# KiCad board VGA.kicad_pcb (continued)
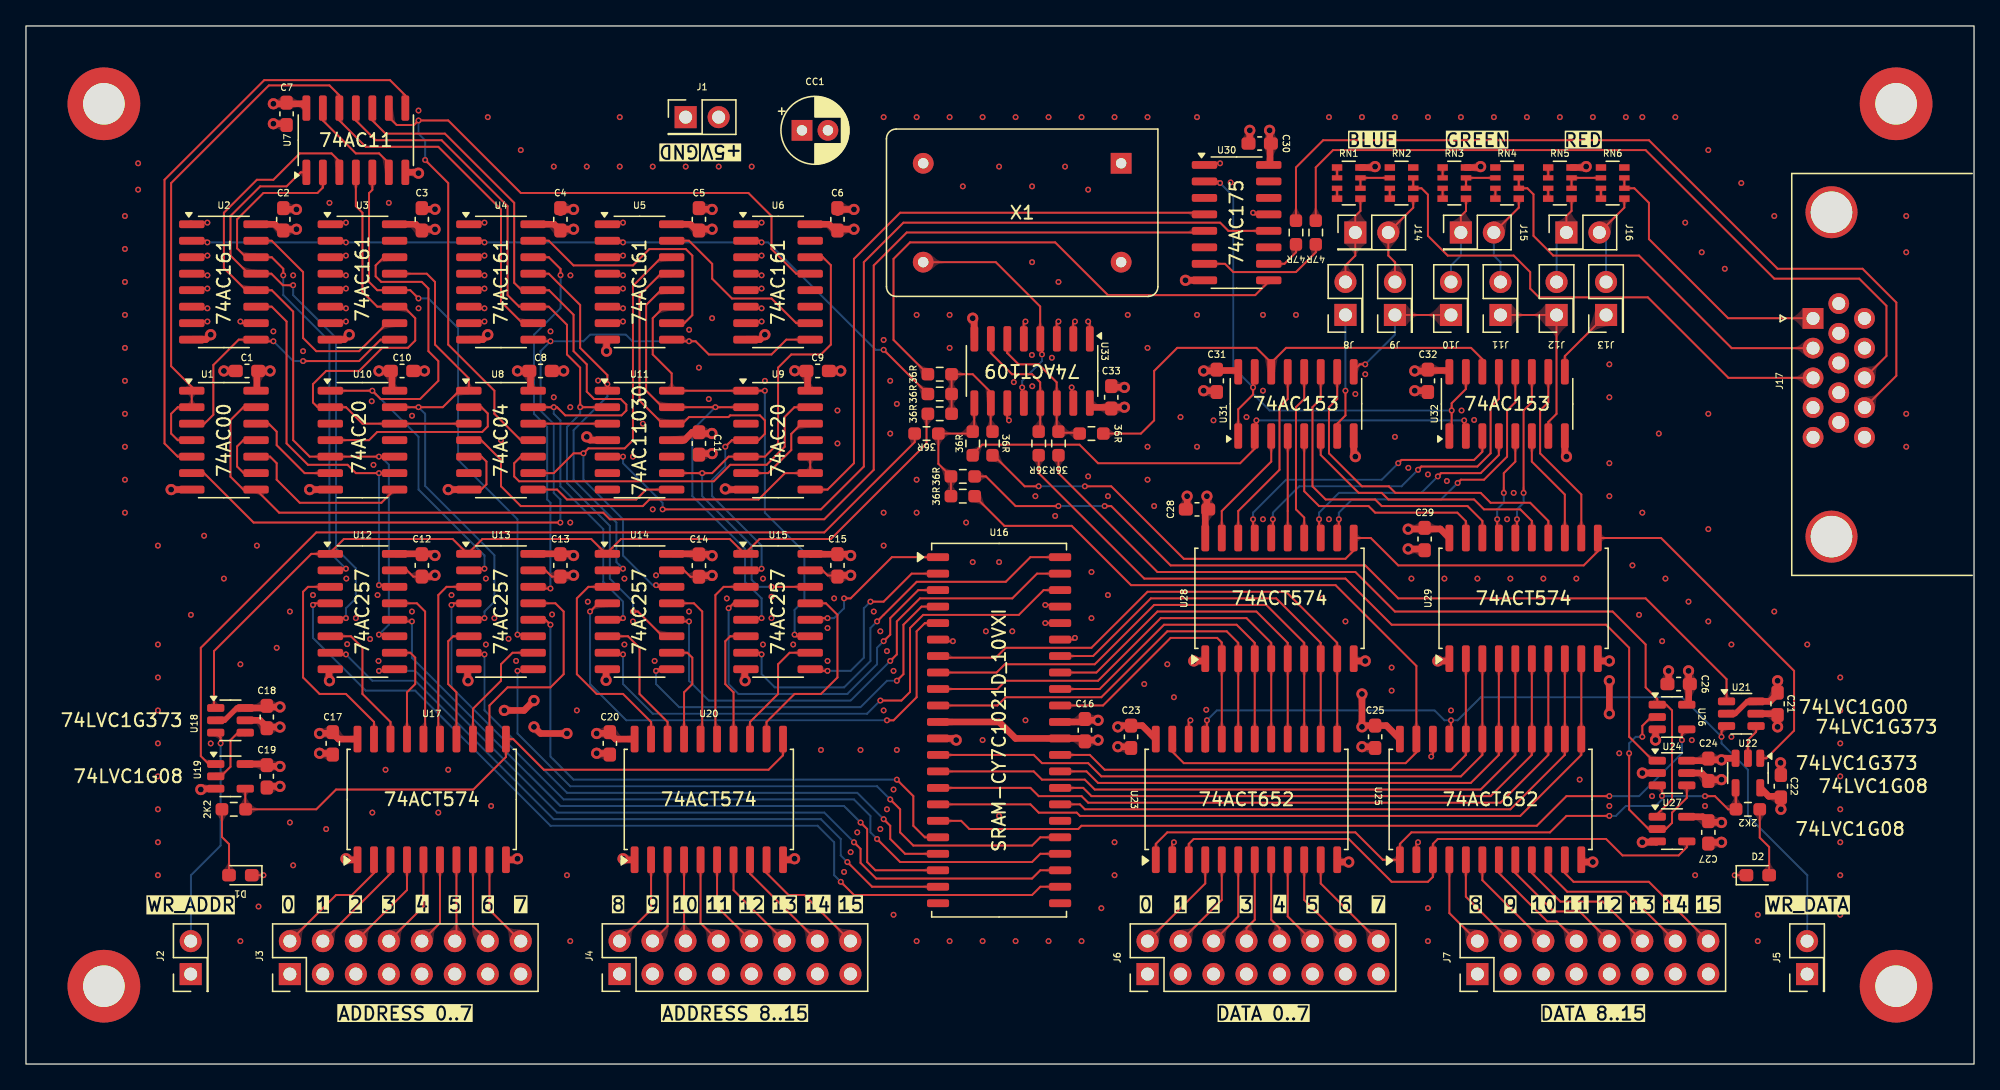
[diagram p0: board, top side]
## Routing (per net, layer and track width the routed paths; a pad name or vN(x,y) marks a point on that pad's centre or on a via; arc(x,y) is an arc through that point) (continued)
/VGA OUTPUT/PIXEL0_2: length 8.8
  Signal w0.152: U29.13 118.49,43.89 115.95,46.43 115.95,48.3
/VGA OUTPUT/PIXEL0_3: length 14.5
  Signal w0.152: 117.22,53.45 117.22,51 116.59,50.37 116.59,47.06 119.76,43.89 U29.12
/VGA OUTPUT/PIXEL1_0: length 18.9
  Signal w0.152: 98.43,48.3 98.43,44.14 99.57,43 103.38,43 103.89,42.49 110.21,42.49 110.87,41.83 U29.19
/VGA OUTPUT/PIXEL1_1: length 24.7
  Signal w0.152: U29.18 112.14,41.86 111,43 104.39,43 103.89,43.51 100.08,43.51 99.06,44.52 99.06,50.62 99.69,51.25 99.69,53.45
/VGA OUTPUT/PIXEL1_2: length 8.4
  Signal w0.152: v1(113.79,44.02) 113.79,45.54 114.68,46.43 114.68,48.3 ; U29.17 113.28,40.66 v1(113.28,41.98)
  Signal & Power w0.152: v1(113.28,41.98) 113.28,42.75 113.79,43.25 v1(113.79,44.02)
/VGA OUTPUT/PIXEL1_3: length 13.4
  Signal w0.152: 115.95,53.45 115.95,51 115.32,50.37 v1(115.32,44.02) ; U29.16 114.81,40.66 v1(114.81,41.98)
  Signal & Power w0.152: v1(114.81,41.98) 114.81,42.75 115.32,43.25 v1(115.32,44.02)
/VGA OUTPUT/PIXEL2_0: length 7.8
  Signal w0.152: 97.16,48.3 U28.15
/VGA OUTPUT/PIXEL2_1: length 13.4
  Signal w0.152: U28.14 98.43,42.11 97.79,42.75 97.79,50.62 98.43,51.25 98.43,53.45
/VGA OUTPUT/PIXEL2_2: length 19.2
  Signal w0.152: v1(108.71,45.29) 108.97,45.54 112.01,45.54 113.41,46.94 113.41,48.3 ; 99.82,40.66 U28.13 99.57,40.66 v1(99.57,41.98)
  Signal & Power w0.152: v1(99.57,41.98) 99.57,42.49 101.09,44.02 107.44,44.02 v1(108.71,45.29)
/VGA OUTPUT/PIXEL2_3: length 23.7
  Signal w0.152: v1(110.24,44.78) 110.49,45.03 112.27,45.03 114.05,46.81 114.05,50.37 114.68,51 114.68,53.45 ; v1(101.09,41.98) 101.09,40.66 U28.12
  Signal & Power w0.152: v1(101.09,41.98) 101.09,42.49 102.11,43.51 108.97,43.51 v1(110.24,44.78)
/VGA OUTPUT/PIXEL3_0: length 9.3
  Signal w0.152: U28.19 92.08,42.62 95.89,46.43 95.89,48.3
/VGA OUTPUT/PIXEL3_1: length 14.5
  Signal w0.152: U28.18 93.34,42.62 96.52,45.79 96.52,50.62 97.16,51.25 97.16,53.45
/VGA OUTPUT/PIXEL3_2: length 22.7
  Signal w0.152: v1(105.66,46.3) 105.92,46.56 111.51,46.56 112.14,47.19 112.14,48.3 ; v1(94.49,41.98) 94.49,40.66 U28.17
  Signal & Power w0.152: v1(94.49,41.98) 94.49,42.49 97.03,45.03 104.39,45.03 v1(105.66,46.3)
/VGA OUTPUT/PIXEL3_3: length 27.3
  Signal w0.152: 113.41,53.45 113.41,51.25 112.78,50.62 112.78,47.06 111.76,46.05 107.44,46.05 v1(107.19,45.79) ; U28.16 96.01,40.66 v1(96.01,41.98)
  Signal & Power w0.152: v1(96.01,41.98) 96.01,42.49 98.04,44.52 105.92,44.52 v1(107.19,45.79)
/VGA OUTPUT/PIXEL_OUT0: length 9.7
  Signal w0.152: v1(101.6,51.89) 101.6,49.98 100.97,49.35 100.97,48.3
  Signal & Power w0.152: v1(101.6,51.89) J8.1
/VGA OUTPUT/PIXEL_OUT1: length 10.2
  Signal w0.152: v1(103.12,53.92) 102.71,53.92 102.24,53.45 ; J9.1 J10.1
  Signal & Power w0.152: J9.1 105.41,56.21 v1(103.12,53.92)
/VGA OUTPUT/PIXEL_OUT2: length 14
  Signal w0.152: J11.1 J12.1 117.85,57.72 117.85,50.11 117.22,49.48 117.22,48.3
/VGA OUTPUT/PIXEL_OUT3: length 5.6
  Signal w0.152: J13.1 119.76,55.82 119.76,55.82 118.49,54.55 118.49,53.45
/VGA OUTPUT/RED0: length 8
  Signal w0.152: 117.86,63.32 J16.1 118.61,65.35 119.01,65.74 RN5.5
  Signal & Power w0.152: J12.2 117.86,63.32 J16.1
/VGA OUTPUT/RED1: length 8.2
  Signal w0.152: 121.67,63.57 J16.2 123.07,66 RN6.5
  Signal & Power w0.152: J16.2 121.67,63.57 J13.2
/VGA OUTPUT/RED_OUT: length 21.6
  Signal w0.152: 137.52,56.98 137.51,56.98 138.03,56.98 ; J17.1 137.59,57.48 131.06,57.48 124.97,63.57 124.97,66.37 123.84,67.49 RN6.6 RN6.7
/VGA OUTPUT/VSYNC_OUT: length 65.6
  Signal w0.152: 97.79,64.91 97.79,69.1 99.89,71.19 124.97,71.19 134.87,61.29 141.42,61.29 144.02,58.69 144.02,53.04 J17.14
/WR: length 62
  Signal w0.152: v1(127.51,24.97) 127.51,25.42 U26.4 ; v1(121.92,20.65) 118.62,20.65 116.33,18.36 81.27,18.36 81.02,18.11 72.64,18.11 72.01,18.74 70.23,18.74
  Signal & Power w0.152: v1(121.92,20.65) 124.21,20.65 127.51,23.95 v1(127.51,24.97)
DATASYNC: length 48.4
  Signal w0.152: 90.64,65.48 90.52,65.61 67.31,65.61 63.75,62.05 63.75,46.3 61.72,44.27 U9.8
HSYNC: length 101.4
  Signal w0.152: 90.64,64.21 90.52,64.08 67.82,64.08 65.28,61.54 65.28,45.79 61.47,41.98 44.96,41.98 44.45,42.49 19.49,42.49 U1.8 16.74,44.27 15.75,45.26 15.75,49.63 16.74,50.62 U1.13
PX_DATA0: length 22.2
  Signal w0.152: U23.20 U28.2 92.08,32.49 91.72,32.84 88.14,32.84 82.93,27.63 U16.35
PX_DATA1: length 33.3
  Signal w0.152: 93.34,25.04 U28.3 93.34,32.46 92.46,33.35 87.88,33.35 82.8,28.27 75.44,28.27 74.8,27.63 U16.10
PX_DATA2: length 25
  Signal w0.152: U16.36 82.68,28.9 87.63,33.86 93.22,33.86 94.62,32.46 U28.4 U23.18
PX_DATA3: length 36.1
  Signal w0.152: U23.17 U28.5 95.89,32.46 93.98,34.36 87.38,34.36 82.55,29.54 75.44,29.54 74.8,28.9 U16.9
PX_DATA4: length 27.9
  Signal w0.152: U23.16 U28.6 97.16,32.46 94.74,34.87 87.12,34.87 82.42,30.17 U16.37
PX_DATA5: length 39
  Signal w0.152: U16.8 74.74,30.17 75.37,30.81 82.3,30.81 86.87,35.38 95.5,35.38 98.43,32.46 U28.7 U23.15
PX_DATA6: length 30.7
  Signal w0.152: U16.38 82.17,31.44 86.61,35.89 96.27,35.89 99.69,32.46 U28.8 U23.14
PX_DATA7: length 41.9
  Signal w0.152: 100.97,25.04 U28.9 100.97,32.46 97.03,36.4 86.36,36.4 82.04,32.08 75.44,32.08 74.68,31.32 70.36,31.32 U16.7
PX_DATA8: length 39.6
  Signal w0.152: U29.2 U25.20 110.87,23.82 109.73,22.68 83.06,22.68 81.91,23.82 U16.32
PX_DATA9: length 50.7
  Signal w0.152: U16.13 77.6,23.82 78.23,23.19 81.79,23.19 82.8,22.17 110.49,22.17 112.14,23.82 U25.19 U29.3
PX_DATA10: length 42.5
  Signal w0.152: U16.31 81.66,22.55 82.55,21.66 111.25,21.66 113.41,23.82 U25.18 U29.4
PX_DATA11: length 53.6
  Signal w0.152: U16.14 77.6,22.55 78.23,21.92 81.53,21.92 82.3,21.16 112.01,21.16 114.68,23.82 U25.17 U29.5
PX_DATA12: length 45.3
  Signal w0.152: U16.30 81.41,21.28 82.04,20.65 112.78,20.65 115.95,23.82 U25.16 U29.6
PX_DATA13: length 56.4
  Signal w0.152: U16.15 77.34,21.28 77.98,20.64 81.28,20.64 81.79,20.14 113.54,20.14 117.22,23.82 U25.15 U29.7
PX_DATA14: length 48.2
  Signal w0.152: U16.29 81.15,20.01 81.53,19.63 114.3,19.63 118.49,23.82 U25.14 U29.8
PX_DATA15: length 59.3
  Signal w0.152: U29.9 119.76,23.82 115.06,19.12 81.16,19.12 80.91,19.37 77.98,19.37 77.34,20.01 U16.16
S_ADDR0: length 41.7
  Signal w0.152: 23.33,38.05 23.46,38.17 v1(24.64,38.17) ; v1(19.81,60.78) 19.81,61.29 18.92,62.18 16.94,62.18 16.26,62.86 16.26,65.1 18.29,67.13 22.45,67.13 22.86,67.54 U7.2
  Signal & Power w0.152: v1(24.64,38.17) 23.37,39.44 23.37,55.7 19.81,59.26 v1(19.81,60.78)
S_ADDR1: length 45.6
  Signal w0.152: v1(20.57,60.02) 19.78,60.02 18.89,60.91 17.15,60.91 15.75,62.3 15.75,65.35 18.03,67.64 20.07,67.64 21.15,68.72 U7.1 ; 23.33,34.24 23.46,34.36 v1(24.64,34.36)
  Signal & Power w0.152: v1(24.64,34.36) 24.64,35.13 25.4,35.89 25.4,38.2 24.02,39.59 ; 23.88,39.73 23.88,55.95 20.57,59.26 v1(20.57,60.02) ; 23.88,39.73 24.02,39.59 ; 23.88,39.73 24.02,39.59
S_ADDR2: length 56.9
  Signal w0.152: U7.3 24.13,69.58 23.53,70.18 21.08,70.18 19.05,68.15 17.78,68.15 15.24,65.61 15.24,61.34 16.94,59.64 18.92,59.64 20.57,57.99 20.57,48.08 21.84,46.81 U10.5 v1(27.18,46.81) U10.10 ; 28.48,32.97 28.36,33.09 v1(27.18,33.09)
  Signal & Power w0.152: v1(27.18,33.09) 27.94,33.86 27.94,46.19 27.32,46.81 v1(27.18,46.81)
S_ADDR3: length 32.5
  Signal w0.152: v1(27.18,45.54) U10.9 25.4,45.54 24.76,46.18 21.71,46.18 20.07,47.83 20.07,57.22 18.92,58.37 17.82,58.37 ; 28.36,36.78 28.23,36.9 v1(27.18,36.9)
  Signal & Power w0.152: v1(27.18,45.54) v1(27.18,36.9)
S_ADDR4: length 43.1
  Signal w0.152: v1(35.31,38.17) 34.13,38.17 34,38.05 ; U10.1 v1(26.67,51.89) 27.31,51.25 30.35,51.25 31.75,52.65 31.75,54.18 30.99,54.94 30.99,59.76 30.48,60.28 27.35,60.28 26.92,60.71 26.92,61.54 27.56,62.18 U3.14 ; 28.36,62.05 28.48,62.18 27.81,62.18
  Signal & Power w0.152: v1(26.67,51.89) 30.23,48.33 30.23,44.27 35.31,39.19 v1(35.31,38.17)
S_ADDR5: length 40.2
  Signal w0.152: U10.13 v1(30.23,50.62) 32.1,50.62 33.37,51.89 U8.1 ; 34,34.24 34.13,34.36 v1(35.31,34.36) ; 28.48,60.91 30.86,60.91 31.5,60.27 31.5,55.45 34.1,52.84 U8.1 ; U8.1 33.27,51.89
  Signal & Power w0.152: v1(35.31,34.36) 35.31,34.87 36.07,35.63 36.07,39.22 30.73,44.55 30.73,50.11 v1(30.23,50.62)
S_ADDR6: length 42.9
  Signal w0.152: v1(30.23,59) 29.59,59.64 27.05,59.64 26.42,60.27 26.42,67.12 26.67,67.37 26.67,67.86 ; v1(37.85,33.09) 39.02,33.09 39.15,32.97
  Signal & Power w0.152: v1(37.85,33.09) 37.85,41.98 33.27,46.56 33.27,56.72 30.99,59 v1(30.23,59)
S_ADDR7: length 29.8
  Signal w0.152: v1(41.16,60.79) 41.16,61.27 40.26,62.18 39.15,62.18 ; 39.02,36.78 39.15,36.65 v1(40.39,36.65)
  Signal & Power w0.152: v1(41.16,60.79) 41.16,58.25 39.12,56.21 39.12,50.11 40.13,49.1 40.13,43.51 40.39,43.25 v1(40.39,36.65)
S_ADDR8: length 31
  Signal w0.152: 44.5,51.89 U11.1 ; U11.1 44.77,53.09 42.67,55.19 42.67,58.49 40.26,60.91 39.15,60.91 ; U11.1 v1(44.77,52.4) ; 44.67,38.05 44.8,38.17 v1(45.97,38.17)
  Signal & Power w0.152: v1(45.97,38.17) 45.47,38.68 45.47,41.73 42.16,45.03 42.16,48.84 44.77,51.45 v1(44.77,52.4)
S_ADDR9: length 64.8
  Signal w0.152: 44.67,34.24 45.85,34.24 v1(45.97,34.36) ; 38.22,50.62 v1(40.64,50.62) 40.89,50.62 41.52,49.99 45.85,49.99 46.23,50.37 46.23,50.82 45.8,51.25 43.75,51.25 43.18,51.82 43.18,53.92 42.16,54.94 42.16,57.74 40.27,59.64 38.16,59.64 37.59,60.21 37.59,66.37 32.26,71.7 27.69,71.7 26.67,72.72 U7.10
  Signal & Power w0.152: v1(45.97,34.36) 45.97,35.63 44.45,37.16 44.45,41.22 41.15,44.52 41.15,49.6 40.64,50.11 v1(40.64,50.62)
S_ADDR10: length 58.8
  Signal w0.152: 49.82,32.97 49.02,32.97 47.12,34.87 v1(46.74,34.87) ; U7.11 25.4,72.72 26.92,71.19 32,71.19 37.08,66.11 37.08,59.26 37.97,58.37 40.26,58.37 41.66,56.97 41.66,54.68 42.67,53.67 v1(42.67,50.62) U11.2
  Signal & Power w0.152: v1(42.67,50.62) 42.67,50.11 41.66,49.1 41.66,44.78 44.96,41.48 44.96,37.41 46.74,35.63 v1(46.74,34.87)
S_ADDR11: length 38.5
  Signal w0.152: 49.69,36.78 48.64,36.78 v1(48.51,36.9) ; 49.82,62.18 48.94,62.18 46.74,59.97 46.74,48.08 46.1,47.44 43.31,47.44 v1(42.93,47.06) 42.16,47.06 40.64,45.54 39.05,45.54
  Signal & Power w0.152: v1(42.93,47.06) 42.93,45.03 45.97,41.98 45.97,39.19 48.26,36.9 v1(48.51,36.9)
S_ADDR12: length 39.5
  Signal w0.152: 55.34,38.05 56.52,38.05 v1(56.64,38.17) ; 49.82,60.91 48.9,60.91 47.24,59.26 47.24,51.13 49.02,49.35 U11.12 50.55,49.35 51.05,49.86 54.09,49.86 54.22,49.99 56.51,49.99 56.9,49.6 56.9,48.56 56.41,48.08 U9.4 54.36,48.08 v1(53.85,47.57)
  Signal & Power w0.152: v1(53.85,47.57) 53.85,46.05 52.83,45.03 52.83,43.76 56.64,39.95 v1(56.64,38.17)
S_ADDR13: length 37.4
  Signal w0.152: 54.93,50.62 v1(53.09,50.62) U11.13 49.02,50.62 47.75,51.89 47.75,58.49 48.9,59.64 49.82,59.64 ; v1(56.64,34.36) 55.46,34.36 55.34,34.24
  Signal & Power w0.152: v1(53.09,50.62) 51.31,48.84 51.31,43.76 55.37,39.7 55.37,37.16 56.64,35.89 v1(56.64,34.36)
S_ADDR14: length 36.5
  Signal w0.152: v1(56.9,51.89) U9.1 ; 54.93,51.89 U11.14 49.72,53.22 48.26,54.68 48.26,57.48 49.15,58.37 49.82,58.37 ; v1(59.18,33.09) 59.31,32.97 60.49,32.97
  Signal & Power w0.152: v1(59.18,33.09) 59.18,35 59.94,35.76 59.94,39.44 56.9,42.49 v1(56.9,51.89)
S_ADDR15: length 42.2
  Signal w0.152: v1(57.4,36.78) 60.36,36.78 ; 60.49,62.18 61.36,62.18 61.98,61.56 61.98,55.45 61.21,54.68 58.93,54.68 57.91,53.67 57.91,47.83 56.9,46.81 U9.5 54.1,46.81 52.83,45.54 v1(52.07,45.54) U11.9
  Signal & Power w0.152: v1(57.4,36.78) 56.41,36.78 55.88,37.31 55.88,39.95 52.07,43.76 v1(52.07,45.54)
VSYNC: length 71.9
  Signal w0.152: v1(49.02,42.75) 61.21,42.75 64.52,46.05 64.52,61.8 67.56,64.84 91.95,64.84 92.58,64.21 95.79,64.21 ; U11.5 v1(45.97,46.81)
  Signal & Power w0.152: v1(49.02,42.75) 49.02,43.25 45.97,46.3 v1(45.97,46.81)
X_ADDR0: length 17
  Signal w0.152: 26.8,25.04 26.8,26.36 24.64,28.52 22.61,28.52 21.34,29.79 21.34,36.4 21.72,36.78 23.33,36.78
X_ADDR1: length 10.9
  Signal w0.152: 23.33,32.97 25.02,32.97 25.91,32.08 25.91,28.52 28.07,26.36 U17.18
X_ADDR2: length 8.2
  Signal w0.152: U17.17 29.34,28.65 29.97,29.28 29.97,31.32 29.59,31.7 28.48,31.7
X_ADDR3: length 12.2
  Signal w0.152: 28.48,35.51 30.1,35.51 30.73,34.87 30.73,25.17
X_ADDR4: length 13.5
  Signal w0.152: 31.75,25.17 31.75,36.14 32.39,36.78 34,36.78
X_ADDR5: length 9.5
  Signal w0.152: 34,32.97 32.89,32.97 32.51,32.59 32.51,29.28 33.15,28.65 U17.14
X_ADDR6: length 9.6
  Signal w0.152: 34.42,25.04 34.42,27.38 36.58,29.54 36.58,30.81 37.47,31.7 39.15,31.7
X_ADDR7: length 16.6
  Signal w0.152: U17.12 35.69,27.63 37.08,29.03 40.39,29.03 41.4,30.05 41.4,34.87 40.77,35.51 39.15,35.51
X_ADDR8: length 17
  Signal w0.152: 44.67,36.78 43.31,36.78 42.42,35.89 42.42,30.05 43.94,28.52 45.97,28.52 48.13,26.36 U20.19
X_ADDR9: length 10.9
  Signal w0.152: 44.67,32.97 46.36,32.97 47.24,32.08 47.24,28.52 49.4,26.36 U20.18
X_ADDR10: length 8.2
  Signal w0.152: U20.17 50.67,28.65 51.31,29.28 51.31,31.32 50.93,31.7 49.82,31.7
X_ADDR11: length 12.4
  Signal w0.152: 49.82,35.51 51.44,35.51 52.07,34.87 52.07,25.17 U20.16
X_ADDR12: length 13.7
  Signal w0.152: 55.34,36.78 53.72,36.78 53.09,36.14 53.09,25.17 U20.15
X_ADDR13: length 9.5
  Signal w0.152: 55.34,32.97 54.23,32.97 53.85,32.59 53.85,29.28 54.48,28.65 U20.14
X_ADDR14: length 9.6
  Signal w0.152: 60.49,31.7 58.8,31.7 57.91,30.81 57.91,28.52 55.75,26.36 U20.13
X_ADDR15: length 15.4
  Signal w0.152: 60.49,35.51 61.59,35.51 62.48,34.62 62.48,29.79 61.21,28.52 59.18,28.52 57.02,26.36 U20.12
Net-(D1-A): length 5.2
  Signal w0.152: R1.1 15.09,17.5 15.64,16.95 15.64,14.64
Net-(D2-A): length 5.2
  Signal w0.152: 133.5,19.54 133.5,17.45 134.22,16.72 134.22,14.64
Net-(RN1A-R1.1): length 0.8
  Signal w0.152: RN1.1 RN1.2
Net-(RN1B-R2.2): length 3.1
  Signal w0.152: RN1.6 RN1.7 RN2.2
Net-(RN1C-R3.1): length 0.8
  Signal w0.152: RN1.3 RN1.4
Net-(RN2C-R3.1): length 0.8
  Signal w0.152: RN2.4 RN2.3
Net-(RN3A-R1.1): length 0.8
  Signal w0.152: RN3.1 RN3.2
Net-(RN3B-R2.2): length 3.1
  Signal w0.152: RN3.6 RN3.7 RN4.2
Net-(RN3C-R3.1): length 0.8
  Signal w0.152: RN3.3 RN3.4
Net-(RN4C-R3.1): length 0.8
  Signal w0.152: RN4.3 RN4.4
Net-(RN5A-R1.1): length 0.8
  Signal w0.152: RN5.2 RN5.1
Net-(RN5B-R2.2): length 3.1
  Signal w0.152: RN6.2 RN5.7 RN5.6
Net-(RN5C-R3.1): length 0.8
  Signal w0.152: RN5.4 RN5.3
Net-(RN6C-R3.1): length 0.8
  Signal w0.152: RN6.3 RN6.4
Net-(U1-Pad5): length 46
  Signal w0.152: 12.77,46.81 11.68,46.81 10.67,47.83 10.67,68.15 18.35,75.82 28.03,75.82 29.21,74.64 U7.8
Net-(U1-Pad10): length 13.3
  Signal w0.152: U10.8 27.37,43.25 21.08,43.25 19.3,45.03 19.3,46.3 18.8,46.81 U1.10
Net-(U1-Pad11): length 4.9
  Signal w0.152: U1.11 16.74,48.08 16.26,47.6 16.26,46.05 16.76,45.54 U1.9
Net-(U1-Pad12): length 7.9
  Signal w0.152: U1.12 18.69,49.35 19.3,48.74 19.3,47.69 21.46,45.54 U10.6
Net-(U2-TC): length 18.1
  Signal w0.152: 28.48,57.1 27.81,57.1 25.65,54.94 22.35,54.94 21.34,55.95 21.34,61.03 18.92,63.45 17.82,63.45
Net-(U2-~{PE}): length 22
  Signal w0.152: 28.48,55.83 27.31,55.83 25.65,54.18 v1(21.34,54.18) ; v1(19.05,55.7) 17.94,55.7 17.82,55.83 16.38,55.83 14.43,53.87 14.43,50.04 13.74,49.35 12.77,49.35
  Signal & Power w0.152: v1(19.05,55.7) 20.57,54.18 v1(21.34,54.18)
Net-(U4-CET): length 67
  Signal w0.152: 12.77,48.08 11.68,48.08 11.18,48.59 11.18,50.11 11.68,50.62 12.77,50.62 12.77,52.19 11.18,53.78 11.18,67.89 18.7,75.42 23.37,75.42 24.13,74.66 U7.12 24.13,72.72 26.16,70.69 31.75,70.69 36.58,65.86 36.58,58.75 38.23,57.1 39.15,57.1
Net-(U4-TC): length 20.4
  Signal w0.152: 39.51,63.45 39.15,63.45 40.26,63.45 42.16,61.55 46.74,61.55 48,62.81 50.8,62.81 51.31,62.3 51.31,57.71 50.69,57.1 49.82,57.1
Net-(U4-~{PE}): length 69.6
  Signal w0.152: 12.77,45.54 13.72,45.54 17.53,41.73 v1(41.15,41.73) ; 38.48,55.83 39.15,55.83 39.28,55.7 v1(40.39,55.7) ; 60.49,55.83 58.55,55.83 57.4,54.68 52.58,54.68 51.56,55.7 v1(51.05,55.7) 49.85,55.7 U5.9
  Signal & Power w0.152: v1(41.15,41.73) 41.15,43.51 40.64,44.02 40.64,49.33 39.62,50.35 39.62,54.94 v1(40.39,55.7) 42.93,55.7 43.43,56.21 46.19,56.21 46.7,55.7 v1(51.05,55.7)
Net-(U5-TC): length 14.6
  Signal w0.152: 60.49,57.1 59.31,57.1 57.41,59 54.36,59 52.84,60.52 52.84,61.66 51.05,63.45 49.15,63.45
Net-(U6-Q1): length 68.9
  Signal w0.152: 39.05,48.08 38.1,48.08 36.07,50.11 36.07,51.89 32.51,55.45 32.51,67.89 v1(30.73,69.67) ; U7.9 27.94,72.97 28.55,72.36 29.87,72.36 v1(30.23,72.72) 32.51,72.72 38.1,67.13 55.63,67.13 57.4,65.35 57.4,62.81 59.31,60.91 60.49,60.91
  Signal & Power w0.152: v1(30.23,72.72) 30.23,71.7 30.73,71.19 v1(30.73,69.67)
Net-(U7-Pad13): length 8.1
  Signal w0.152: U7.6 27.94,69.43 27.19,70.18 25.4,70.18 22.86,72.72 U7.13
Net-(U8-Pad4): length 31.9
  Signal w0.152: U9.10 U9.9 58.44,45.54 56.41,43.51 48.01,43.51 47.5,43 38.1,43 36.58,44.52 36.58,46.56 35.05,48.08 U8.4
Net-(U8-Pad10): length 29.3
  Signal w0.152: 39.05,46.81 38.1,46.81 37.59,46.3 37.59,45.29 37.97,44.91 52.96,44.91 54.23,46.18 57.03,46.18 58.42,47.57 58.42,49.87 59.17,50.62 U9.13
Net-(U9-Pad12): length 7.3
  Signal w0.152: U9.6 57.15,45.54 58.93,47.32 58.93,48.56 59.72,49.35 U9.12
Net-(U10-Pad4): length 15.2
  Signal w0.152: U10.4 26.42,48.08 27.05,48.71 35.13,48.71 35.56,49.14 35.56,50.14 35.08,50.62 U8.2
Net-(U11-Pad3): length 5.6
  Signal w0.152: 45.16,49.35 U11.3 ; 39.05,49.35 44.26,49.35
Net-(U11-Pad8): length 11.5
  Signal w0.152: U11.8 47.75,44.27 46.99,43.51 41.66,43.51 40.89,44.27 39.05,44.27 39.05,44.46
Net-(U18-Q): length 4.9
  Signal w0.152: U18.4 16.32,25.54 15.75,24.97 15.75,22.91 15.01,22.17 U19.2
Net-(U21-Q): length 2.7
  Signal w0.152: U22.2 132.59,24.97 133.22,25.6 U21.4
Net-(U24-Q): length 16.1
  Signal w0.152: U24.4 127.88,20.52 126.75,19.38 126.75,18.58 126.27,18.11 U27.2 124.95,18.11 123.44,19.61 v1(123.44,23.95) ; v1(124.46,25.22) 124.46,26.06 125.14,26.74 U26.2
  Signal & Power w0.152: v1(123.44,23.95) 123.44,24.71 123.95,25.22 v1(124.46,25.22)
Net-(U30-Q1): length 10.3
  Signal w0.152: 99.31,63.26 99.31,62.56 97.79,61.03 92.96,61.03 92.33,61.67 90.64,61.67
Net-(U30-Q2): length 3.1
  Signal w0.152: 95.79,61.67 96.9,61.67 97.79,62.56 97.79,63.26

## Copper pours and planes (outline as drawn; the poured copper is in the pictures)
GND on F.GND, B.GND: 0.51,79.58 149.61,79.58 149.61,0.33 0.51,0.33
VCC on Signal & Power: 0.51,79.58 149.61,79.58 149.61,0.33 0.51,0.33

Small or netless copper shapes (teardrops, artwork), in the pictures only: 1071 on Signal, 135 on Signal & Power

## Text on the board
F.Silkscreen: WR_ADDR | 0 | 1 | 2 | 3 | ADDRESS 0..7 | 4 | 5 | 6 | 7 | 8 | 9 | 10 | 11 | ADDRESS 8..15 | 12 | 13 | 14 | 15 | DATA 0..7 | BLUE | GREEN | RED | DATA 8..15 | WR_DATA | GND | +5V
